# Altium PCB Board_ASCII.PcbDoc (part 1 of 2)
Units mm, origin at the board's own origin, x right, y up, seen from the top; angles counter-clockwise.
Board outline 26.34 x 49.99 mm, 4 copper layers (Top Layer, GND, PWR, Bottom Layer), stack 0.603 mm thick; 93 components, 67 nets, 369 pads, 189 vias.
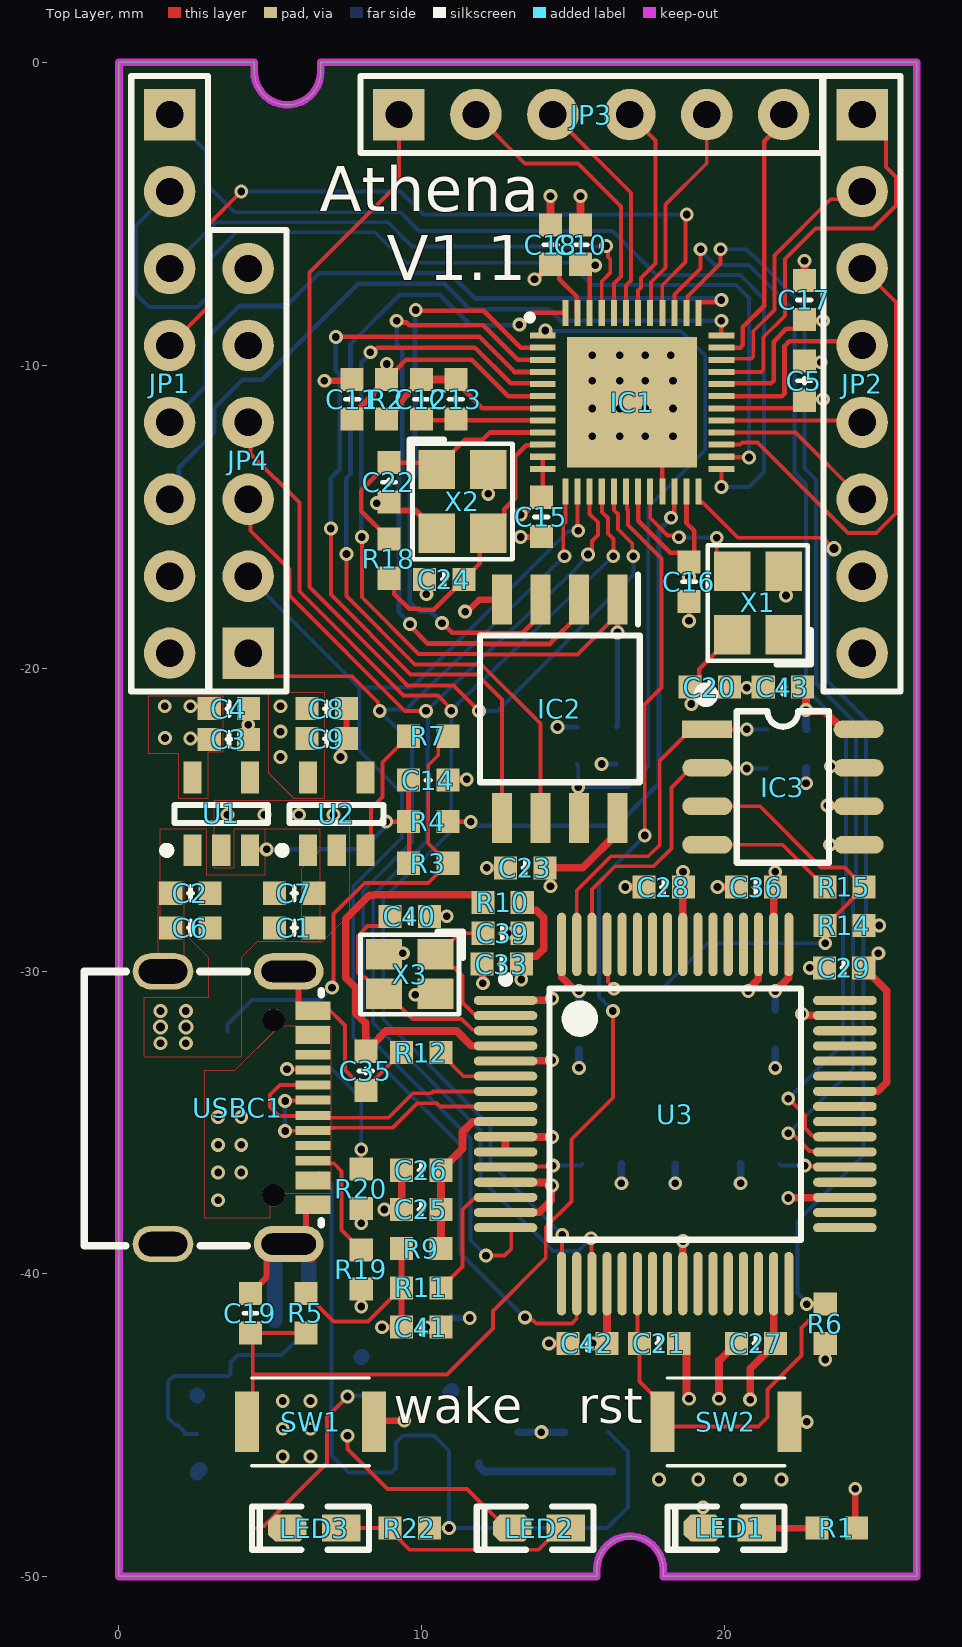
[diagram p0: Top Layer view]
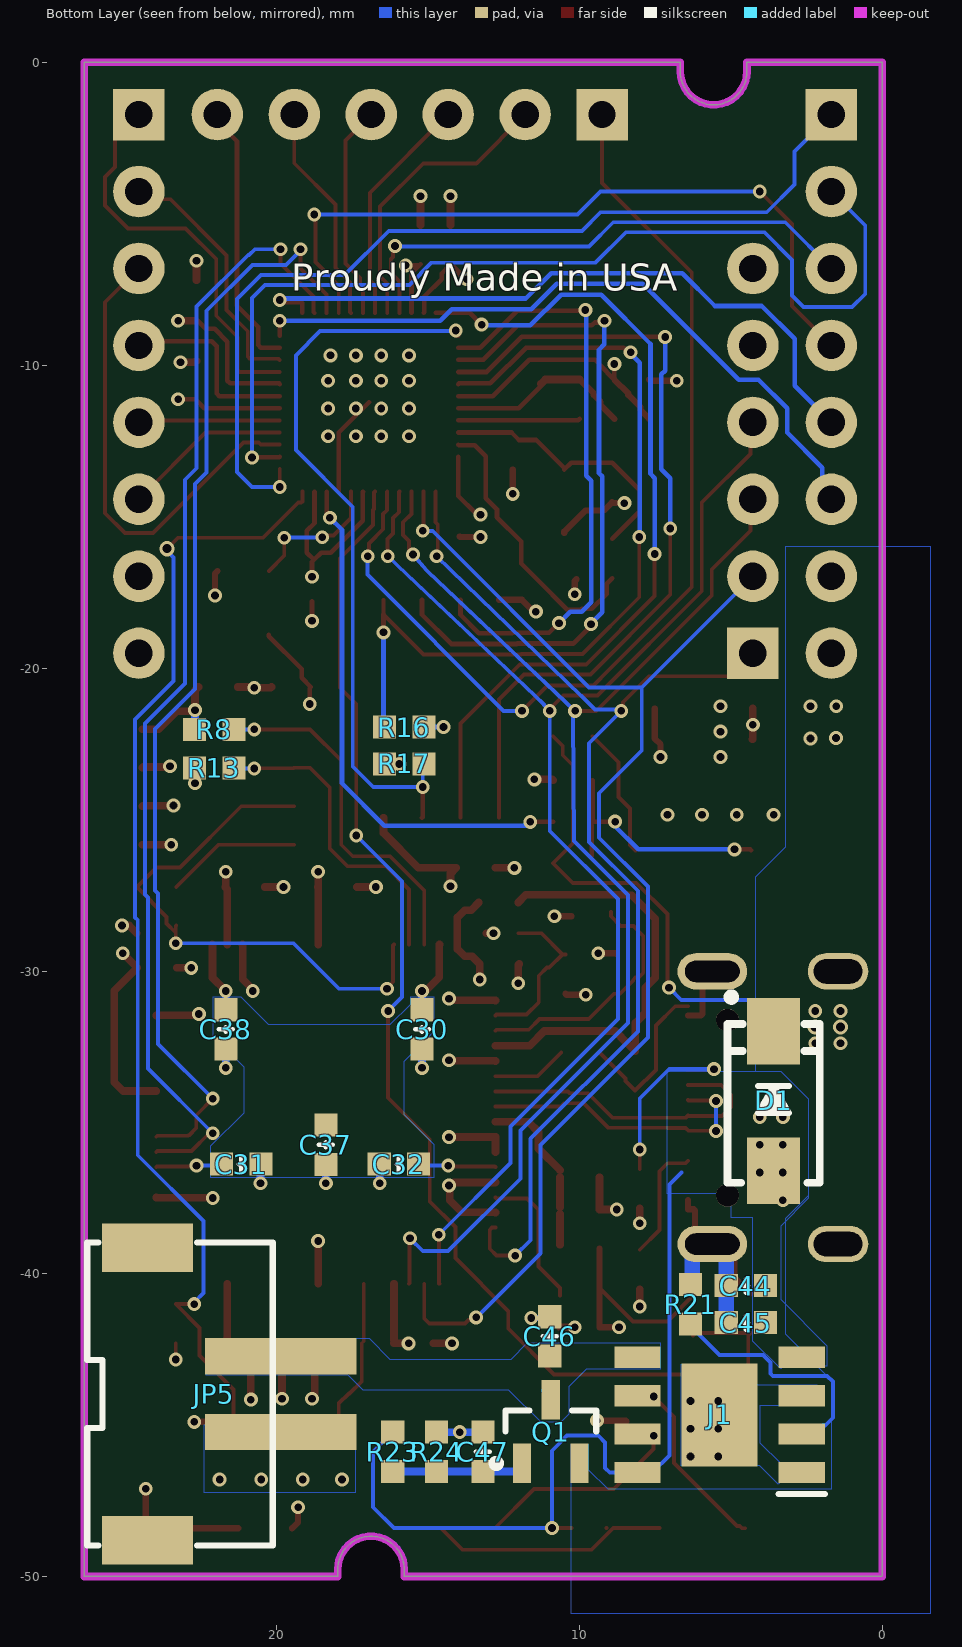
[diagram p1: Bottom Layer view, seen from below]
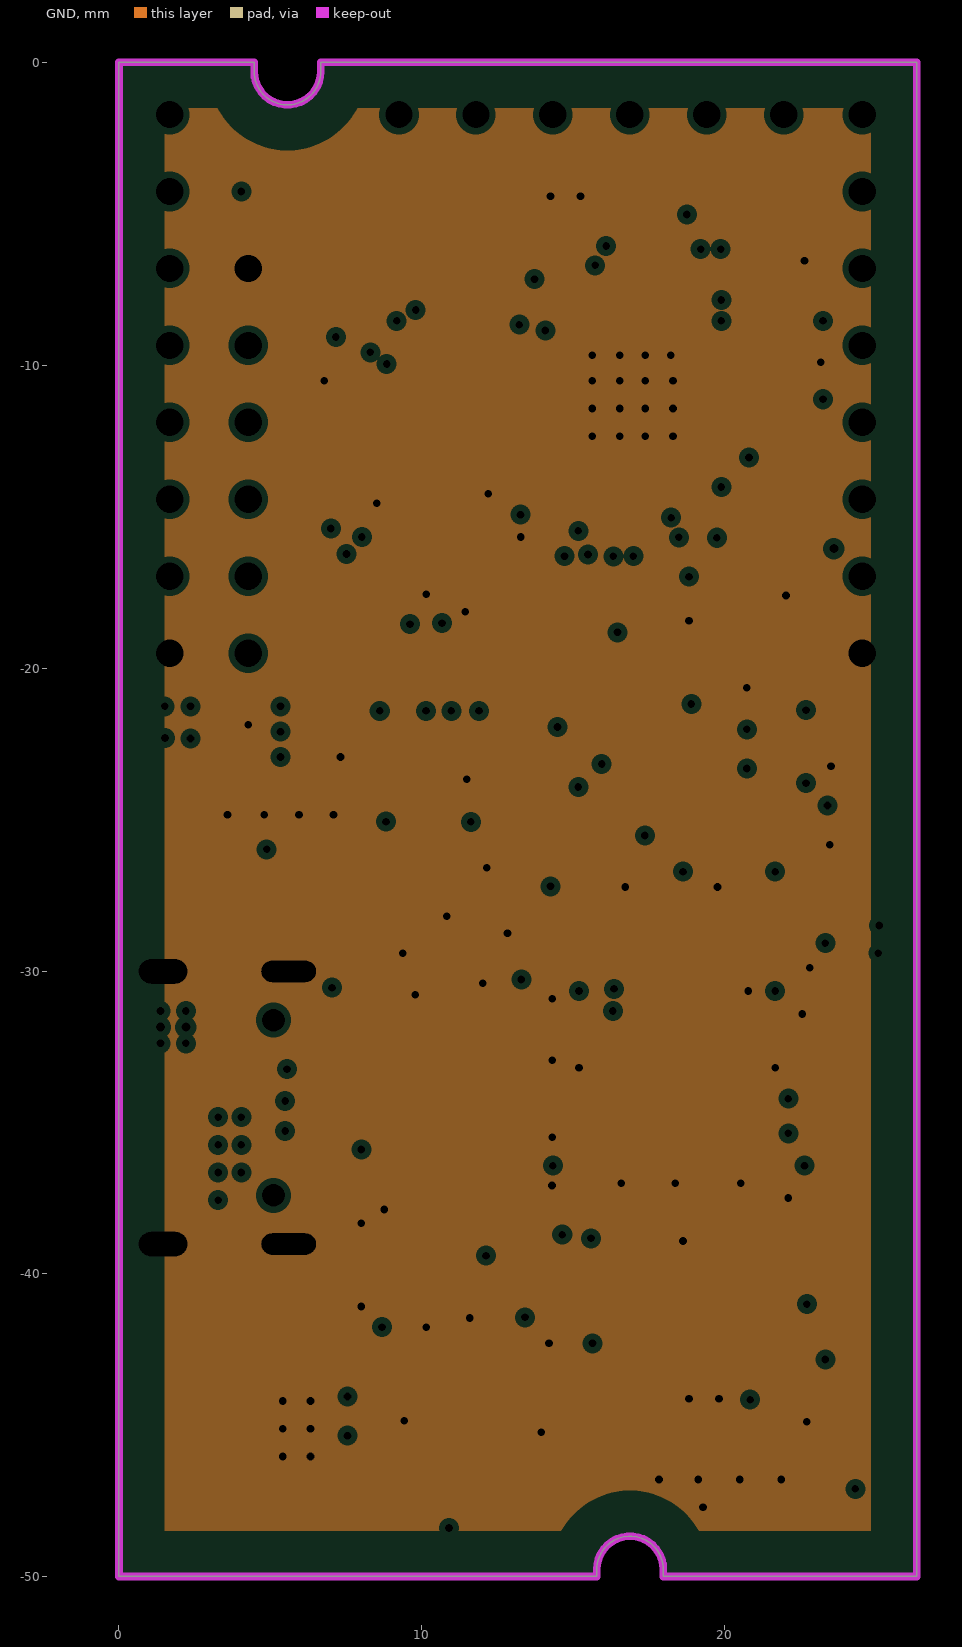
[diagram p2: GND, clearances drawn from the general rule]
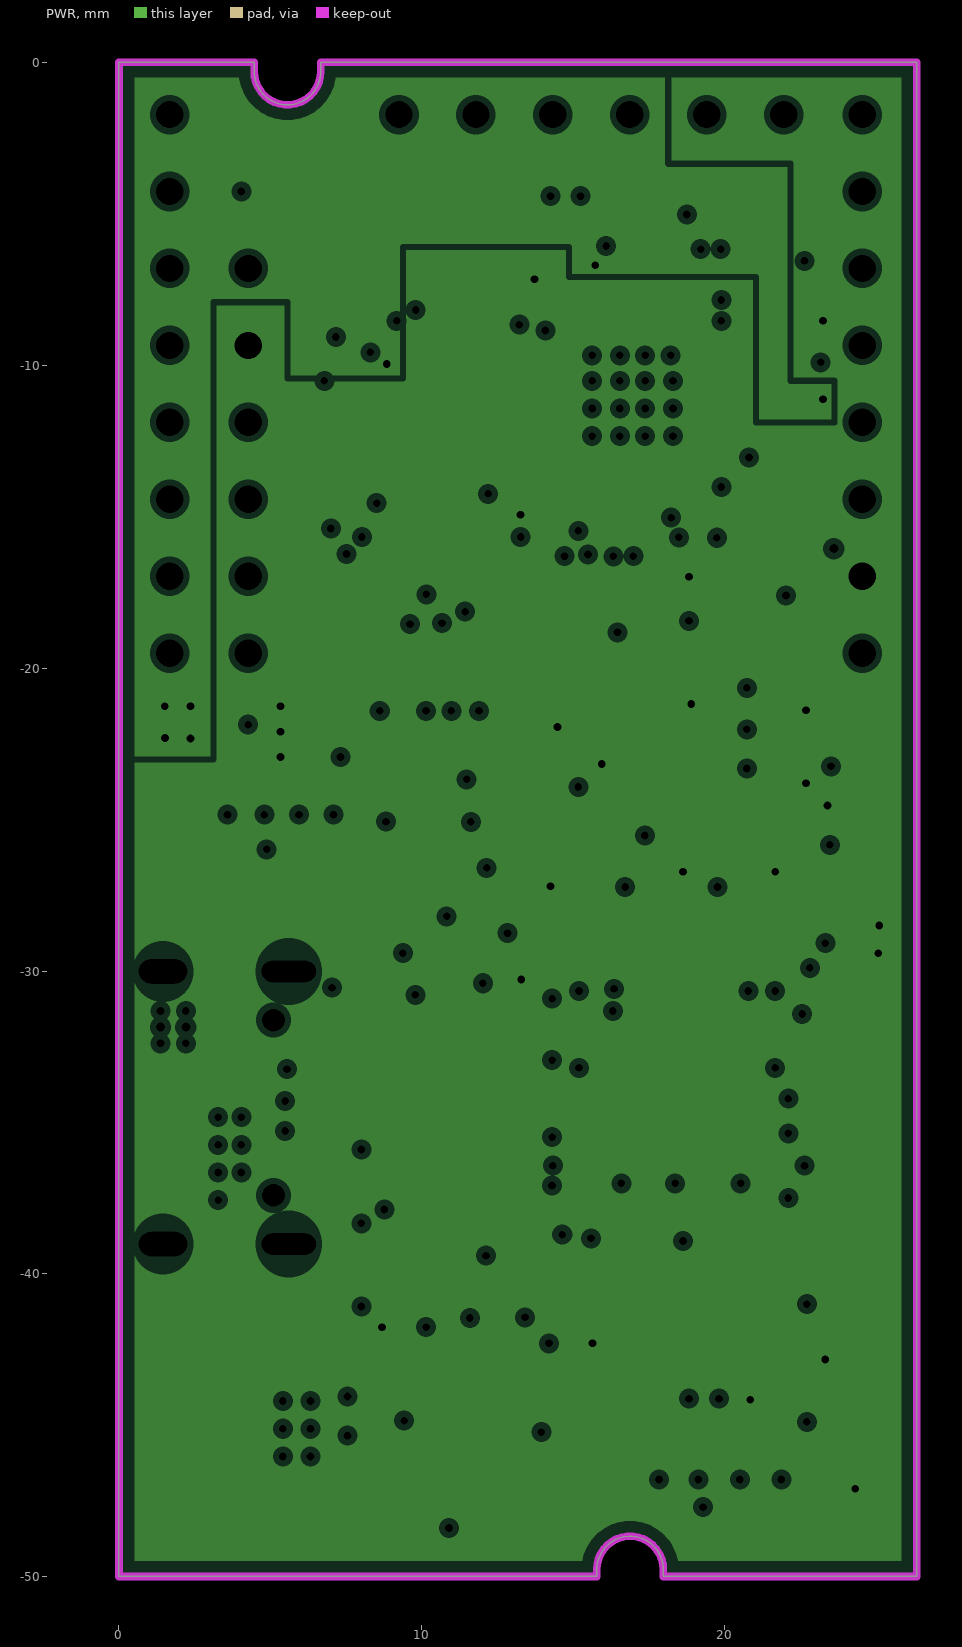
[diagram p3: PWR, clearances drawn from the general rule]

## Layer stack, top to bottom
Top Solder: solder mask 0.0102, Solder Resist, Dk 3.5
Top Layer: signal copper 0.0356
Dielectric 2: prepreg 0.0711, PP-006, Dk 4.1
GND: plane copper 0.035, net GND
Dielectric 1: dielectric 0.32, FR-4, Dk 4.8
PWR: plane copper 0.035, net (Multiple Nets)
Dielectric 3: prepreg 0.0711, PP-006, Dk 4.1
Bottom Layer: signal copper 0.0356
Bottom Solder: solder mask 0.0102, Solder Resist, Dk 3.5

## Board outline
4.463,-0.305 ccw(c5.563,-0.305) 6.663,-0.305 6.663,0 7.468,0 26.34,0 26.34,-49.987 17.973,-49.987 17.973,-49.759 ccw(c16.873,-49.759) 15.773,-49.759 15.773,-49.987 14.707,-49.987 0,-49.987 0,0 4.463,0

## Design rules (kind name [scope] priority, off if disabled: settings)
AssemblyTestPointUsage [All] p0: scope1count=1 scope1_0_kind=Board scope1_0_value=Board scope2count=1 scope2_0_kind=Board scope2_0_value=Board commentlength=0
AssemblyTestpoint [All] p0: scope1count=1 scope1_0_kind=Board scope1_0_value=Board scope2count=1 scope2_0_kind=Board scope2_0_value=Board commentlength=0
Clearance [All] p0: scope1count=1 scope1_0_kind=Board scope1_0_value=Board scope2count=1 scope2_0_kind=Board scope2_0_value=Board commentlength=0 gap=0.203
Clearance [All] p1: gap=0.203 ignorepadtopadclearanceinfootprint=TRUE
ComponentClearance [All] p0: scope1count=1 scope1_0_kind=Board scope1_0_value=Board scope2count=1 scope2_0_kind=Board scope2_0_value=Board commentlength=0 gap=0.254 collisioncheckmode=3
DiffPairsRouting [All] p0: scope1count=1 scope1_0_kind=Board scope1_0_value=Board scope2count=1 scope2_0_kind=Board scope2_0_value=Board commentlength=0
DiffPairsRouting [All] p1: maxlimit=0.254 minlimit=0.203 mostfreqgap=0.203 toplayer_minwidth=0.127 toplayer_maxwidth=0.381 toplayer_prefwidth=0.127 bottomlayer_minwidth=0.127 bottomlayer_maxwidth=0.381 bottomlayer_prefwidth=0.127 maxuncoupledlength=12.7
FabricationTestPointUsage [All] p0: scope1count=1 scope1_0_kind=Board scope1_0_value=Board scope2count=1 scope2_0_kind=Board scope2_0_value=Board commentlength=0 valid=0 allowmultiple=FALSE
FabricationTestpoint [All] p0: scope1count=1 scope1_0_kind=Board scope1_0_value=Board scope2count=1 scope2_0_kind=Board scope2_0_value=Board commentlength=0 side=3 testpointundercomponent=TRUE minsize=1.016 maxsize=2.54 preferedsize=1.524 minholesize=0 maxholesize=1.016 preferedholesize=0.813 testpointgrid=0.025
FanoutControl Fanout_BGA [All] p0 off: scope1count=1 scope1_0_kind=Board scope1_0_value=Board scope2count=1 scope2_0_kind=Board scope2_0_value=Board commentlength=69 // Protel DXP Scope 1 Expression Was: IsBGA   Fanout_BGA (Default Rule)
FanoutControl Fanout_LCC [All] p0 off: scope1count=1 scope1_0_kind=Board scope1_0_value=Board scope2count=1 scope2_0_kind=Board scope2_0_value=Board commentlength=69 // Protel DXP Scope 1 Expression Was: IsLCC   Fanout_LCC (Default Rule)
FanoutControl Fanout_SOIC [All] p0 off: scope1count=1 scope1_0_kind=Board scope1_0_value=Board scope2count=1 scope2_0_kind=Board scope2_0_value=Board commentlength=71 // Protel DXP Scope 1 Expression Was: IsSOIC   Fanout_SOIC (Default Rule)
FanoutControl Fanout_Small [All] p0 off: scope1count=1 scope1_0_kind=Board scope1_0_value=Board scope2count=1 scope2_0_kind=Board scope2_0_value=Board commentlength=84 // Protel DXP Scope 1 Expression Was: (CompPinCount < 5)   Fanout_Small (Default Rule)
FanoutControl Fanout_Default [All] p0: scope1count=1 scope1_0_kind=Board scope1_0_value=Board scope2count=1 scope2_0_kind=Board scope2_0_value=Board commentlength=30 // Fanout_Default (Default Rule)
Height [All] p0: scope1count=1 scope1_0_kind=Board scope1_0_value=Board scope2count=1 scope2_0_kind=Board scope2_0_value=Board commentlength=0
HoleSize [All] p0: scope1count=1 scope1_0_kind=Board scope1_0_value=Board scope2count=1 scope2_0_kind=Board scope2_0_value=Board commentlength=0 absolutevalues=TRUE maxlimit=2.54 minlimit=0.025 maxpercent=80.000 minpercent=20.000
HoleToHoleClearance [All] p0: scope1count=1 scope1_0_kind=Board scope1_0_value=Board scope2count=1 scope2_0_kind=Board scope2_0_value=Board commentlength=0
LayerPairs [All] p0: scope1count=1 scope1_0_kind=Board scope1_0_value=Board scope2count=1 scope2_0_kind=Board scope2_0_value=Board commentlength=0 enforce=TRUE
MinimumSolderMaskSliver [All] p0: scope1count=1 scope1_0_kind=Board scope1_0_value=Board scope2count=1 scope2_0_kind=Board scope2_0_value=Board commentlength=0
NetAntennae [All] p0: scope1count=1 scope1_0_kind=Board scope1_0_value=Board scope2count=1 scope2_0_kind=Board scope2_0_value=Board commentlength=0
PasteMaskExpansion [All] p0: scope1count=1 scope1_0_kind=Board scope1_0_value=Board scope2count=1 scope2_0_kind=Board scope2_0_value=Board commentlength=0 expansion=0
PlaneClearance [All] p0: scope1count=1 scope1_0_kind=Board scope1_0_value=Board scope2count=1 scope2_0_kind=Board scope2_0_value=Board commentlength=0 clearance=0.203
PlaneClearance [All] p1: clearance=0.203
PlaneConnect [All] p0: scope1count=1 scope1_0_kind=Board scope1_0_value=Board scope2count=1 scope2_0_kind=Board scope2_0_value=Board commentlength=0 planeconnectstyle=Direct reliefexpansion=0.508 reliefentries=4 reliefconductorwidth=0.254 reliefairgap=0.254
PlaneConnect [All] p1: planeconnectstyle=Direct reliefexpansion=0.508 reliefentries=4 reliefconductorwidth=0.254 reliefairgap=0.254
PolygonConnect [All] p0: scope1count=1 scope1_0_kind=Board scope1_0_value=Board scope2count=1 scope2_0_kind=Board scope2_0_value=Board commentlength=0 connectstyle=Direct reliefconductorwidth=0.254 reliefentries=4 polygonreliefangle="90 Angle"
PolygonConnect [All] p1: connectstyle=Direct reliefconductorwidth=0.254 reliefentries=4 polygonreliefangle="90 Angle" airgapwidth=0.254
RoomDefinition Main [All] p0: scope1count=1 scope1_0_kind=ComponentClass scope1_0_value=Main scope2count=1 scope2_0_kind=Board scope2_0_value=Board commentlength=0 region_x1=70450000 region_y1=17900000 region_x2=130100000 region_y2=23050000 confinementstyle=ConfineIn
RoomDefinition Power [All] p0: scope1count=1 scope1_0_kind=ComponentClass scope1_0_value=Power scope2count=1 scope2_0_kind=Board scope2_0_value=Board commentlength=0 region_x1=70450000 region_y1=23500000 region_x2=99050000 region_y2=26200000 confinementstyle=ConfineIn
RoomDefinition Debugger [All] p0: scope1count=1 scope1_0_kind=ComponentClass scope1_0_value=Debugger scope2count=1 scope2_0_kind=Board scope2_0_value=Board commentlength=0 region_x1=70450000 region_y1=10600000 region_x2=116350000 region_y2=17400000 confinementstyle=ConfineIn
RoomDefinition Main [InComponentClass('Main')] p1: confinementstyle=ConfineIn formatcopy=TRUE lockcomponents=FALSE outline 59.385,-59.995 210.896,-59.995 210.896,-46.914 59.385,-46.914
RoomDefinition Power [InComponentClass('Power')] p2: confinementstyle=ConfineIn formatcopy=TRUE lockcomponents=FALSE outline 59.385,-45.771 132.029,-45.771 132.029,-38.913 59.385,-38.913
RoomDefinition Debugger [InComponentClass('Debugger')] p3: confinementstyle=ConfineIn formatcopy=TRUE lockcomponents=FALSE outline 59.385,-78.537 175.971,-78.537 175.971,-61.265 59.385,-61.265
RoutingCorners [All] p0: scope1count=1 scope1_0_kind=Board scope1_0_value=Board scope2count=1 scope2_0_kind=Board scope2_0_value=Board commentlength=0 cornerstyle=45-Degree minsetback=2.54 maxsetback=2.54
RoutingLayers [All] p0: scope1count=1 scope1_0_kind=Board scope1_0_value=Board scope2count=1 scope2_0_kind=Board scope2_0_value=Board commentlength=0 top layer=Automatic bottom layer=Automatic
RoutingPriority [All] p0: scope1count=1 scope1_0_kind=Board scope1_0_value=Board scope2count=1 scope2_0_kind=Board scope2_0_value=Board commentlength=0
RoutingTopology [All] p0: scope1count=1 scope1_0_kind=Board scope1_0_value=Board scope2count=1 scope2_0_kind=Board scope2_0_value=Board commentlength=0 topology=Shortest
RoutingVias [All] p0: scope1count=1 scope1_0_kind=Board scope1_0_value=Board scope2count=1 scope2_0_kind=Board scope2_0_value=Board commentlength=0 holewidth=0.254 width=0.457 viastyle="Through Hole" minholewidth=0.254 minwidth=0.457 maxholewidth=0.254 maxwidth=0.457
RoutingVias [All] p1: holewidth=0.254 width=0.457 viastyle="Through Hole" minholewidth=0.254 minwidth=0.457 maxholewidth=0.254 maxwidth=0.457
ShortCircuit [All] p0: scope1count=1 scope1_0_kind=Board scope1_0_value=Board scope2count=1 scope2_0_kind=Board scope2_0_value=Board commentlength=0 allowed=FALSE
SilkToBoardRegionClearance [All] p0: scope1count=1 scope1_0_kind=Board scope1_0_value=Board scope2count=1 scope2_0_kind=Board scope2_0_value=Board commentlength=0
SilkToSilkClearance [All] p0: scope1count=1 scope1_0_kind=Board scope1_0_value=Board scope2count=1 scope2_0_kind=Board scope2_0_value=Board commentlength=0
SilkToSolderMaskClearance [All] p0 off: scope1count=1 scope1_0_kind=Board scope1_0_value=Board scope2count=1 scope2_0_kind=Board scope2_0_value=Board commentlength=44 // Protel DXP Scope 1 Expression Was: IsPad
SolderMaskExpansion [All] p0: scope1count=1 scope1_0_kind=Board scope1_0_value=Board scope2count=1 scope2_0_kind=Board scope2_0_value=Board commentlength=0 expansion=0.102
SolderMaskExpansion [All] p1: expansion=0.102 istentingtop=FALSE
UnRoutedNet [All] p0: scope1count=1 scope1_0_kind=Board scope1_0_value=Board scope2count=1 scope2_0_kind=Board scope2_0_value=Board commentlength=0
UnpouredPolygon [All] p0: scope1count=1 scope1_0_kind=Board scope1_0_value=Board scope2count=1 scope2_0_kind=Board scope2_0_value=Board commentlength=0
Width [All] p0: scope1count=1 scope1_0_kind=Board scope1_0_value=Board scope2count=1 scope2_0_kind=Board scope2_0_value=Board commentlength=0 maxlimit=0.508 minlimit=0.127 preferedwidth=0.127
Width [All] p1: maxlimit=0.508 minlimit=0.127 preferedwidth=0.127
27 further rules are at their usual default settings.

## Classes and differential pairs
component class Power: C1 C2 C3 C4 C5 C6 C7 C8 C9 C10 C11 C12 C13 C14 C15 C16 C17 C18 C44 C45 C46 C47 D1 J1 JP5 LED1 LED2 LED3 Q1 R1 R2 R3 R4 R7 R21 R22 R23 R24 U1 U2
component class Main: C19 C20 C21 C22 C23 C24 IC1 IC2 JP1 JP2 JP3 JP4 R5 R6 R16 R17 R18 SW1 SW2 X1 X2
component class Debugger: C25 C26 C27 C28 C29 C30 C31 C32 C33 C35 C36 C37 C38 C39 C40 C41 C42 C43 IC3 R8 R9 R10 R11 R12 R13 R14 R15 R19 R20 U3 USBC1 X3
differential pair " ": +USB_D_P -USB_D_N

## Components (designator, comment, footprint, x,y, rotation, side; value= is the part's Value field where it differs from the comment)
C1 "10uF" C0603_NS 5.791,-28.575 r0 top
C2 "100nF" C0603_NS 2.362,-27.432 r180 top
C3 "100nF" C0603_NS 3.632,-22.352 r0 top
C4 "10uF" C0603_NS 3.632,-21.336 r0 top
C5 "100nF" C0603_NS 22.631,-10.516 r270 top
C6 "10uF" C0603_NS 2.362,-28.575 r180 top
C7 "100nF" C0603_NS 5.791,-27.432 r0 top
C8 "100nF" C0603_NS 6.858,-21.336 r0 top
C9 "10uF" C0603_NS 6.858,-22.327 r0 top
C10 "100nF" C0603_NS 15.24,-6.02 r90 top
C11 "100nF" C0603_NS 7.696,-11.125 r270 top
C12 "100nF" C0603_NS 9.982,-11.125 r90 top
C13 "10uF" C0603_NS 11.125,-11.125 r90 top
C14 "100nF" C0603_NS 10.211,-23.698 r180 top
C15 "100nF" C0603_NS 13.945,-15.011 r90 top
C16 "100nF" C0603_NS 18.821,-17.145 r90 top
C17 "100nF" C0603_NS 22.631,-7.849 r270 top
C18 "100nF" C0603_NS 14.249,-6.02 r270 top
C19 "100nF" C0603_NS 4.343,-41.3 r270 top
C20 "100nF" C0603_NS 19.507,-20.625 r180 top
C21 "100nF" C0603_NS 17.831,-42.291 r180 top
C22 "22pF" C0603_NS 8.915,-13.868 r90 top
C23 "100nF" C0603_NS 13.411,-26.594 r180 top
C24 "22pF" C0603_NS 10.744,-17.069 r180 top
C25 "10uF" C0603_NS 9.982,-37.871 r0 top
C26 "100nF" C0603_NS 9.982,-36.576 r0 top
C27 "100nF" C0603_NS 21.031,-42.291 r0 top
C28 "100nF" C0603_NS 17.983,-27.229 r0 top
C29 "100nF" C0603_NS 23.937,-29.896 r0 top
C30 "100nF" C0603_NS 15.189,-31.928 r90 bottom
C31 "100nF" C0603_NS 21.158,-36.373 r0 bottom
C32 "100nF" C0603_NS 15.951,-36.373 r180 bottom
C33 "100nF" C0603_NS 12.634,-29.769 r0 top
C35 "100nF" C0603_NS 8.153,-33.299 r90 top
C36 "100nF" C0603_NS 21.031,-27.229 r0 top
C37 "10uF" C0603_NS 18.364,-35.738 r90 bottom
C38 "100nF" C0603_NS 21.666,-31.928 r90 bottom
C39 "22pF" C0603_NS 12.664,-28.753 r180 top
C40 "22pF" C0603_NS 9.601,-28.194 r180 top
C41 "100nF" C0603_NS 9.982,-41.758 r180 top
C42 "100nF" C0603_NS 15.469,-42.291 r0 top
C43 "100nF" C0603_NS 21.92,-20.625 r180 top
C44 "10uF" C0603_NS 4.496,-40.386 r180 bottom
C45 "100nF" C0603_NS 4.496,-41.605 r180 bottom
C46 "10uF" C0603_NS 10.973,-42.062 r270 bottom
C47 "100nF" C0603_NS 13.183,-45.872 r270 bottom
D1 "SS14" SMA 3.581,-34.29 r90 bottom
IC1 "FE310-G002" QFN40P600X600X93-49N 16.938,-11.224 r0 top
IC2 "W25Q32FWSSIG" SOIC127P790X216-8N 14.554,-21.343 r270 top
IC3 "93C46" SOP8_L 21.92,-23.927 r0 top
J1 "TP4056" SOIC127P600X175-9N 5.365,-44.653 r0 bottom
JP1 "HDR-1X8" HDR2.54-M-LI-8P 1.676,-10.617 r270 top
JP2 "HDR-1X8" HDR2.54-M-LI-8P 24.536,-10.617 r270 top
JP3 "HDR-1X6" HDR2.54-M-LI-6P 15.596,-1.727 r0 top
JP4 "HDR-1X6" HDR2.54-M-LI-6P 4.267,-13.157 r90 top
JP5 "HDR-1X2" XH2.54-LS-2P 23.241,-43.967 r90 bottom
LED1 "红色" LED0603_R 20.168,-48.387 r180 top
LED2 "红色" LED0603_R 13.868,-48.387 r180 top
LED3 "红色" LED0603_R 6.452,-48.387 r180 top
Q1 "AO3401" SOT23-3N 10.937,-45.203 r90 bottom
R1 "330R" R0603_NS 23.698,-48.387 r180 top
R2 "100R" R0603_NS 8.839,-11.125 r270 top
R3 "NC/100K" R0603_NS 10.211,-26.441 r180 top
R4 "100K" R0603_NS 10.211,-25.07 r180 top
R5 "100K" R0603_NS 6.172,-41.3 r90 top
R6 "100K" R0603_NS 23.317,-41.646 r270 top
R7 "100K" R0603_NS 10.211,-22.25 r180 top
R8 "100K" R0603_NS 22.047,-22.022 r0 bottom
R9 "5R" R0603_NS 9.982,-39.167 r180 top
R10 "5R" R0603_NS 12.664,-27.737 r0 top
R11 "100K" R0603_NS 9.982,-40.462 r180 top
R12 "12K" R0603_NS 9.982,-32.69 r0 top
R13 "100K" R0603_NS 22.047,-23.292 r0 bottom
R14 "100K" R0603_NS 23.952,-28.499 r0 top
R15 "2.2K" R0603_NS 23.952,-27.229 r180 top
R16 "100K" R0603_NS 15.773,-21.946 r180 bottom
R17 "100K" R0603_NS 15.773,-23.165 r0 bottom
R18 "1M" R0603_NS 8.915,-16.383 r90 top
R19 "5.1K" R0603_NS 8.001,-39.853 r90 top
R20 "5.1K" R0603_NS 8.001,-37.186 r90 top
R21 "1.2K" R0603_NS 6.325,-40.996 r270 bottom
R22 "1K" R0603_NS 9.601,-48.387 r0 top
R23 "100K" R0603_NS 16.154,-45.872 r90 bottom
R24 "100K" R0603_NS 14.707,-45.872 r270 bottom
SW1 "SKRKAEE020" SKRKAEE020 6.325,-44.882 r0 top
SW2 "SKRKAEE020" SKRKAEE020 20.041,-44.882 r0 top
U1 "RT9080-1.8" SOT-23-5 3.378,-24.816 r90 top
U2 "RT9080-3.3" SOT-23-5 7.188,-24.816 r90 top
U3 "FT2232HL-Reel" LQFP-64_M 18.364,-34.722 r0 top
USBC1 "TYPE-C 2.0 -16P" USB-C-SMD_16P 3.931,-34.513 r90 top
X1 "32.768K" OSC-3225-4P 21.096,-17.848 r90 top
X2 "16M" XTAL-3225-4P 11.342,-14.495 r270 top
X3 "12M" XTAL-2025-4P 9.601,-30.099 r180 top

## Footprints (in the part's own frame and the unit in brackets; to place one, negate y for a bottom-side part, rotate by r counter-clockwise, add the part's x,y. Pads: shape width x height; smd on the part's side, far side on the other; paste and mask are expansions set on the pad)
C0603_NS [mil] "贴片MLCC电容-无丝印"
  rect 30x30 smd: 1(-25.59,0) 2(25.59,0)
  silkscreen extent -3,-9 3,9
HDR2.54-M-LI-6P [mm] "排母，6脚"
  rect 1.7x1.7 hole 0.9: 1(-6.35,0)
  round 1.7 hole 0.9: 2(-3.81,0) 3(-1.27,0) 4(1.27,0) 5(3.81,0) 6(6.35,0)
  silkscreen extent -7.62,-1.27 7.62,1.27
HDR2.54-M-LI-8P [mm] "排母，8脚"
  rect 1.7x1.7 hole 0.9: 1(-8.89,0)
  round 1.7 hole 0.9: 2(-6.35,0) 3(-3.81,0) 4(-1.27,0) 5(1.27,0) 6(3.81,0) 7(6.35,0) 8(8.89,0)
  silkscreen extent -10.16,-1.27 10.16,1.27
LED0603_R [mil] "红色0603LED"
  rect 50x35 smd: 1(-35,0.26)
  oct 50x35 smd: 2(35,0.26)
  silkscreen extent -71,-28 81,28
LQFP-64_M [mm] "Thin QFP, 64-Leads, Body 10x10mm, Pitch 0.5mm, IPC Low Density"
  oval 2.1x0.3 smd: 1(-5.6,3.75) 2(-5.6,3.25) 3(-5.6,2.75) 4(-5.6,2.25) 5(-5.6,1.75) 6(-5.6,1.25) 7(-5.6,0.75) 8(-5.6,0.25) 9(-5.6,-0.25) 10(-5.6,-0.75) 11(-5.6,-1.25) 12(-5.6,-1.75) 13(-5.6,-2.25) 14(-5.6,-2.75) 15(-5.6,-3.25) 16(-5.6,-3.75) 33(5.6,-3.75) 34(5.6,-3.25) 35(5.6,-2.75) 36(5.6,-2.25) 37(5.6,-1.75) 38(5.6,-1.25) 39(5.6,-0.75) 40(5.6,-0.25) 41(5.6,0.25) 42(5.6,0.75) 43(5.6,1.25) 44(5.6,1.75) 45(5.6,2.25) 46(5.6,2.75) 47(5.6,3.25) 48(5.6,3.75)
  oval 0.3x2.1 smd: 17(-3.75,-5.6) 18(-3.25,-5.6) 19(-2.75,-5.6) 20(-2.25,-5.6) 21(-1.75,-5.6) 22(-1.25,-5.6) 23(-0.75,-5.6) 24(-0.25,-5.6) 25(0.25,-5.6) 26(0.75,-5.6) 27(1.25,-5.6) 28(1.75,-5.6) 29(2.25,-5.6) 30(2.75,-5.6) 31(3.25,-5.6) 32(3.75,-5.6) 49(3.75,5.6) 50(3.25,5.6) 51(2.75,5.6) 52(2.25,5.6) 53(1.75,5.6) 54(1.25,5.6) 55(0.75,5.6) 56(0.25,5.6) 57(-0.25,5.6) 58(-0.75,5.6) 59(-1.25,5.6) 60(-1.75,5.6) 61(-2.25,5.6) 62(-2.75,5.6) 63(-3.25,5.6) 64(-3.75,5.6)
  silkscreen extent -5.72,-4.15 4.15,4.57
OSC-3225-4P [mm] "3.2*2.5*0.7mm(长宽高)                             淘宝ID:黄晶宝石"
  rect 1.3x1.2 smd: 1(-1.05,-0.85) 2(1.05,-0.85) 3(1.05,0.85) 4(-1.05,0.85)
  silkscreen extent -2.03,-1.75 1.91,1.65
QFN40P600X600X93-49N [mm] "48脚，长x宽x高：7x7x1mm，脚距：0.5mm"
  rect 0.85x0.2 smd: 1(-2.95,2.2) 2(-2.95,1.8) 3(-2.95,1.4) 4(-2.95,1) 5(-2.95,0.6) 6(-2.95,0.2) 7(-2.95,-0.2) 8(-2.95,-0.6) 9(-2.95,-1) 10(-2.95,-1.4) 11(-2.95,-1.8) 12(-2.95,-2.2) 25(2.95,-2.2) 26(2.95,-1.8) 27(2.95,-1.4) 28(2.95,-1) 29(2.95,-0.6) 30(2.95,-0.2) 31(2.95,0.2) 32(2.95,0.6) 33(2.95,1) 34(2.95,1.4) 35(2.95,1.8) 36(2.95,2.2)
  rect 0.2x0.85 smd: 13(-2.2,-2.95) 14(-1.8,-2.95) 15(-1.4,-2.95) 16(-1,-2.95) 17(-0.6,-2.95) 18(-0.2,-2.95) 19(0.2,-2.95) 20(0.6,-2.95) 21(1,-2.95) 22(1.4,-2.95) 23(1.8,-2.95) 24(2.2,-2.95) 37(2.2,2.95) 38(1.8,2.95) 39(1.4,2.95) 40(1,2.95) 41(0.6,2.95) 42(0.2,2.95) 43(-0.2,2.95) 44(-0.6,2.95) 45(-1,2.95) 46(-1.4,2.95) 47(-1.8,2.95) 48(-2.2,2.95)
  rect 4.3x4.3 smd: 49(0,0)
  silkscreen extent -3.47,2.7 -3.27,2.9
R0603_NS [mil] "1/10W贴片电阻-无丝印"
  rect 30x30 smd: 1(-25.59,0) 2(25.59,0)
SKRKAEE020 [mm] "3*6*2.5mm"
  rect 0.8x2 smd: 1(-2.1,0) 2(2.1,0)
  silkscreen extent -1.95,-1.45 1.95,1.45
SMA [mm] "4.5x2.6*2.2mm（长宽高，不包括引脚）联系卖家 免费查找封装"
  rect 2.2x1.75 smd: 1(-2.3,0) 2(2.3,0)
  silkscreen extent -2.7,-1.52 3.56,1.52
SOIC127P600X175-9N [mm]
  rect 1.525x0.7 smd: 1(-2.712,1.905) 2(-2.712,0.635) 3(-2.712,-0.635) 4(-2.712,-1.905) 5(2.712,-1.905) 6(2.712,-0.635) 7(2.712,0.635) 8(2.712,1.905)
  rect 2.513x3.402 smd: 9(0,0)
  silkscreen extent -3.47,2.61 -1.95,2.61
SOIC127P790X216-8N [mm]
  rect 1.65x0.65 smd: 1(-3.6,1.905) 2(-3.6,0.635) 3(-3.6,-0.635) 4(-3.6,-1.905) 5(3.6,-1.905) 6(3.6,-0.635) 7(3.6,0.635) 8(3.6,1.905)
  silkscreen extent -4.43,-2.64 2.42,2.64
SOP8_L [mil] "5*6*1.8mm（长宽高）"
  rect 65x23 smd: 1(-98.43,75)
  oval 65x23 smd: 2(-98.43,25) 3(-98.43,-25) 4(-98.43,-75) 5(98.43,-75) 6(98.43,-25) 7(98.43,25) 8(98.43,75)
  silkscreen extent -106,-98 60,126
SOT23-3N [mm] "SOT23, 3-Leads, Body 2.9x1.3mm, Pitch 0.95mm, Lead Span 2.4mm, IPC Medium Density"
  rect 1.3x0.6 smd: 1(-1.05,0.95) 2(-1.05,-0.95) 3(1.05,0)
  silkscreen extent -1.17,-1.5 0.7,1.93
SOT-23-5 [mm] "SOT23, 5-Leads, Body 2.9x1.6mm, Pitch 0.95mm, IPC Medium Density"
  rect 1.05x0.6 smd: 1(-1.2,0.95) 2(-1.2,0) 3(-1.2,-0.95) 4(1.2,-0.95) 5(1.2,0.95)
  silkscreen extent -1.32,-1.55 0.3,1.92
USB-C-SMD_16P [mm] "封装库来自淘宝ID:黄晶宝石"
  oval 1.2x2.3 hole 0.7 slot 1.8 at 90 deg: 0(-4.5,-1.675) 0(4.5,-1.675)
  oval 1.2x2 hole 0.8 slot 1.6 at 90 deg: 0(-4.5,2.475) 0(4.5,2.475)
  rect 0.3x1.15 smd: A1(3.35,-2.473) A4(2.55,-2.471) A5(1.25,-2.475) A6(0.25,-2.475) A7(-0.25,-2.473) A9(-2.55,-2.475) A12(-3.35,-2.475) B1(-3.05,-2.475) B4(-2.25,-2.475) B5(-1.75,-2.475) B6(-0.75,-2.475) B7(0.75,-2.473) B9(2.25,-2.471) B12(3.05,-2.473)
  rect 0.3x1.148 smd: A8(1.75,-2.475) B8(-1.25,-2.475)
  round 0.75 hole 0.75 unplated: ""(-2.89,-1.175) ""(2.89,-1.175)
  silkscreen extent -4.56,-2.75 4.5,5.08
XH2.54-LS-2P [mm] "长：10mm，宽：6mm，高：8.3mm    淘宝ID:黄晶宝石   店铺网址:https://shop463601444.taobao.com"
  rect 1.6x3 smd: 0(-4.826,1.016) 0(4.826,1.016)
  rect 1.2x5 smd: 1(-1.25,-3.383) 2(1.25,-3.383)
  silkscreen extent -5,-3.13 5,3
XTAL-2025-4P [mm] "2*2.5*0.55mm(长宽高)"
  rect 1.2x1 smd: 1(-0.85,-0.65) 2(0.85,-0.65) 3(0.85,0.65) 4(-0.85,0.65)
  silkscreen extent -1.75,-1.4 1.63,1.32
XTAL-3225-4P [mm] "3.2*2.5*0.7mm(长宽高)                             淘宝ID:黄晶宝石"
  rect 1.3x1.2 smd: 1(-1.05,-0.85) 2(1.05,-0.85) 3(1.05,0.85) 4(-1.05,0.85)
  silkscreen extent -2.03,-1.75 1.91,1.65

## Part data
C1 C2 C3 C4 C5 C6 C7 C8 C9 C10 C11 C12 C13 C14 C15 C16 C17 C18 C19 C20 C21 C22 C23 C24 C25 C26 C27 C28 C29 C30 C31 C32 C33 C35 C36 C37 C38 C39 C40 C41 C42 C43 C44 C45 C46 C47: library part C, "贴片电容/MLCC电容"
D1: "肖特基二极管"
IC1 IC2: "Integrated Circuit"
IC3: "外置EEPROM"
J1: "Connector"
JP1 JP2: library part "Header 8", "8P接插件"
JP3 JP4: library part "Header 6", "6P接插件"
JP5: library part "Header 2", "2P接插件"
LED1 LED2 LED3: library part LED-SMD, "贴片LED"
Q1: "P沟道 30V/4.2A"
R1 R2 R3 R4 R5 R6 R7 R8 R9 R10 R11 R12 R13 R14 R15 R16 R17 R18 R19 R20 R21 R22 R23 R24: library part R, "贴片电阻"
SW1 SW2: "2.9x3.9轻触开关"
U1 U2: library part RT9193-18GB, "LDO 1.8V/0.3A"
U3: library part CMP-0078-00023-3, "Dual High Speed USB To Multipurpose UART/FIFO IC, 64-pin LQFP, Tape and Reel"
USBC1: library part USB2.0_Type-C_16Pin, "USB2.0_Type-C_16Pin母座"
X1: library part XTAL-ACT-4P, "4脚有源晶振(振荡器)"
X2 X3: library part XTAL-4P, "4脚无源晶振(谐振器）"

## Via types
v1: diameter 0.457, hole 0.254, Top Layer to Bottom Layer, 186 vias
v2: diameter 0.5, hole 0.3, Top Layer to Bottom Layer, 3 vias

## Nets (pads, with @x,y where several pads share a name; then routed paths per layer and width w, separated by ;. In a path a pad name is that pad's centre, name@x,y a point inside that pad or via, vN(x,y) a via of type N, cw(c..) or ccw(c..) an arc to the next point about the centre after c; other vN are vias at no path point)
1V8: C3.1 C4.1 C5.2 C10.1 C11.2 IC1.6 IC1.30 IC1.46 R2.1 U1.5 | length 13.9
  Top Layer w0.152: v1(8.839,-9.959) R2.1@8.839,-10.475 9.322,-9.992 9.322,-9.97 9.477,-9.815 11.644,-9.815 12.853,-11.024 IC1.6@13.988,-11.024 ; C10.1@15.24,-6.67 15.538,-6.968 IC1.46@15.538,-8.274 ; C10.1@15.276,-6.706 v1(15.724,-6.706) ; IC1.30@19.888,-11.424 22.373,-11.424 C5.2@22.631,-11.166 22.672,-11.125 v1(23.241,-11.125)
  Top Layer w0.203: C11.2@7.696,-11.775 7.976,-11.496 7.976,-11.389 8.382,-10.982 8.382,-10.932 R2.1@8.839,-10.475
  other v1: 2.362,-22.327 1.522,-22.311 1.512,-21.26 2.362,-21.26
3V3: C8.1 C9.1 C15.2 C16.2 C17.2 C18.2 C20.2 C23.1 C27.2 C28.2 C29.2 C33.2 C36.2 C41.2 C42.2 C43.1 IC1.11 IC1.12 IC1.19 IC1.23 IC1.32 IC1.47 IC2.8 IC3.6 IC3.8 JP2.7 JP4.5 R1.1 R5.2 R6.2 R8.2 R9.2 R10.2 R11.2 R13.2 R14.2 R16.2 R17.2 U2.5 U3.20 U3.31 U3.42 U3.50 U3.56 X1.4 | length 59.9
  Top Layer w0.127: R5.2@6.172,-40.65 7.089,-41.567 8.227,-41.567 9.144,-40.65 R11.2@9.332,-40.462 ; v1(23.317,-42.824) R6.2@23.317,-42.296
  Top Layer w0.152: v1(13.259,-14.935) 13.317,-14.877 13.429,-14.877 13.988,-14.318 IC1.12@13.988,-13.424 IC1.11@13.988,-13.024 ; C18.2@14.249,-6.706 14.273,-6.706 14.542,-6.975 14.542,-7.157 15.118,-7.733 15.118,-8.253 IC1.47@15.138,-8.274 ; IC1.19@17.138,-14.174 17.145,-14.181 17.145,-15.136 18.199,-16.19 18.517,-16.19 C16.2@18.738,-16.412 ; IC1.23@18.738,-14.174 18.738,-15.218 18.992,-15.472 18.992,-16.19 18.771,-16.412 C16.2@18.738,-16.412 ; v1(18.821,-16.982) C16.2@18.821,-16.495 C16.2@18.738,-16.412 ; v1(18.898,-21.184) 18.898,-20.665 C20.2@18.857,-20.625 19.162,-20.32 19.162,-20.031 20.246,-18.948 X1.4@20.246,-18.898 ; IC1.32@19.888,-10.624 19.909,-10.603 21.526,-10.603 21.615,-10.514 21.615,-9.221 22.034,-8.803 22.322,-8.803 C17.2@22.591,-8.534
  Top Layer w0.203: v1(8.687,-41.758) C41.2@9.332,-41.758 R11.2@9.332,-40.462 R9.2@9.332,-39.167 ; v1(13.716,-7.163) 13.756,-7.163 C18.2@14.249,-6.67 ; v1(24.308,-47.092) 24.308,-48.346 R1.1@24.348,-48.387
  Top Layer w0.254: v1(13.284,-30.277) C33.2@13.284,-29.769 13.538,-29.515 13.781,-29.515 14.025,-29.271 14.025,-28.235 13.781,-27.991 13.568,-27.991 R10.2@13.314,-27.737 ; v1(14.249,-27.203) 14.249,-26.782 C23.1@14.061,-26.594 15.308,-26.594 16.459,-25.443 IC2.8@16.459,-24.943 ; v1(15.631,-42.291) C42.2@16.119,-42.291 ; C42.2@16.093,-42.215 16.114,-42.194 U3.20@16.114,-40.322 ; U3.56@18.614,-29.122 18.614,-27.248 C28.2@18.633,-27.229 18.618,-27.214 v1(18.618,-26.721) ; v1(20.838,-44.15) 20.838,-43.134 C27.2@21.681,-42.291 21.681,-42.215 21.614,-42.148 U3.31@21.614,-40.322 ; U3.50@21.614,-29.122 21.614,-27.296 C36.2@21.681,-27.229 21.666,-27.214 v1(21.666,-26.721) ; C43.1@22.57,-20.625 22.682,-20.737 v1(22.682,-21.387) 22.721,-21.426 23.291,-21.426 23.887,-22.022 IC3.8@24.42,-22.022 ; C17.2@22.667,-8.534 v1(23.241,-8.534) ; v1(23.393,-24.536) 23.406,-24.549 24.408,-24.549 IC3.6@24.42,-24.562 ; U3.42@23.964,-33.972 23.973,-33.963 25.052,-33.963 25.344,-33.671 25.344,-30.653 C29.2@24.587,-29.896 v1(25.07,-29.413) ; R14.2@24.602,-28.753 24.856,-28.499 v1(25.095,-28.499)
  Bottom Layer w0.152: v1(14.478,-21.946) R16.2@15.123,-21.946 ; v1(15.936,-23.165) R17.2@16.423,-23.165
  Bottom Layer w0.254: v1(22.682,-23.8) 22.682,-23.307 R13.2@22.697,-23.292 ; v1(22.682,-21.387) 22.682,-22.007 R8.2@22.697,-22.022
  other v1: 5.334,-22.936 5.334,-22.098 5.334,-21.26
GND: C1.2 C2.2 C3.2 C4.2 C5.1 C6.2 C7.2 C8.2 C9.2 C10.2 C11.1 C14.1 C15.1 C16.1 C17.1 C18.1 C19.1 C20.1 C21.1 C22.1 C23.2 C24.2 C25.1 C26.1 C27.1 C28.1 C29.1 C30.1 C31.1 C32.1 C33.1 C35.1 C36.1 C37.1 C38.1 C39.1 C40.1 C41.1 C42.1 C43.2 C44.1 C45.1 C46.1 C47.1 IC1.21 IC1.49 IC2.4 IC3.5 IC3.7 J1.1 J1.3 J1.9 JP1.8 JP2.8 JP4.6 JP5.1 LED1.2 R12.1 R19.1 R20.1 R21.1 R24.1 SW1.2 SW2.2 U1.2 U2.2 U3.1 U3.5 U3.10 U3.11 U3.13 U3.15 U3.25 U3.35 U3.47 U3.51 USBC1.0 USBC1.A1 USBC1.A12 USBC1.B1 USBC1.B12 X1.2 X2.2 X2.4 X3.2 X3.4 | length 73.7
  Top Layer w0.127: USBC1.A1@6.404,-31.163 6.829,-31.163 7.468,-31.802 7.468,-33.264 C35.1@8.153,-33.949 8.471,-33.632 8.471,-33.551 R12.1@9.332,-32.69
  Top Layer w0.152: IC1.49@16.938,-11.224 17.938,-12.224 IC1.21@17.938,-14.174 ; v1(18.821,-18.44) C16.1@18.821,-17.795
  Top Layer w0.203: C19.1@4.343,-40.65 4.877,-40.117 4.877,-39.461 5.325,-39.013 USBC1.0@5.605,-39.013 ; USBC1.0@5.605,-30.013 5.93,-30.338 5.93,-31.414 5.979,-31.463 USBC1.B12@6.404,-31.463 ; USBC1.0@6.172,-38.552 6.172,-37.911 6.221,-37.863 USBC1.A12@6.405,-37.863 USBC1.B1@6.405,-37.563 ; v1(6.782,-10.516) 7.656,-10.516 C11.1@7.696,-10.475 ; v1(7.315,-22.936) 7.315,-22.519 C9.2@7.508,-22.327 C8.2@7.508,-21.336 ; SW1.2@8.439,-44.867 8.463,-44.844 v1(9.418,-44.844) ; v1(8.509,-14.554) 8.88,-14.554 C22.1@8.915,-14.518 9.195,-14.798 9.795,-14.798 10.492,-15.495 X2.2@10.492,-15.545 ; X3.2@8.751,-29.449 8.787,-29.413 v1(9.373,-29.413) ; v1(9.783,-30.785) 10.415,-30.785 X3.4@10.451,-30.749 ; C24.2@10.094,-17.069 10.149,-17.123 v1(10.149,-17.563) ; C40.1@10.251,-28.194 v1(10.82,-28.194) ; v1(11.43,-18.136) 11.499,-18.136 11.892,-17.743 IC2.4@12.649,-17.743 ; v1(12.192,-14.249) X2.4@12.192,-13.445 ; v1(13.262,-15.673) 13.933,-15.673 C15.1@13.945,-15.661 ; v1(19.279,-47.701) 19.279,-48.194 LED1.2@19.478,-48.394 ; X1.2@21.946,-16.798 22.022,-16.874 v1(22.022,-17.602) ; SW2.2@22.141,-44.882 v1(22.708,-44.882)
  Top Layer w0.254: C4.2@4.267,-21.336 4.267,-22.337 C3.2@4.282,-22.352 ; v1(8.001,-41.072) R19.1@8.001,-40.503 ; v1(8.001,-38.329) R20.1@8.001,-37.836 ; v1(8.763,-37.871) C25.1@9.332,-37.871 ; C25.1@9.332,-37.806 C26.1@9.332,-36.805 ; v1(10.145,-41.758) C41.1@10.632,-41.758 ; C14.1@10.861,-23.698 10.886,-23.673 v1(11.481,-23.673) ; C33.1@11.984,-29.769 12.014,-29.799 v1(12.014,-30.404) ; v1(12.141,-26.594) C23.2@12.761,-26.594 ; U3.15@12.764,-37.972 12.773,-37.963 13.874,-37.963 14.271,-37.567 v1@14.271,-37.037 ; U3.13@12.764,-36.972 12.773,-36.981 14.139,-36.981 14.242,-37.083 v1(14.297,-37.083) ; U3.11@12.764,-35.972 U3.10@12.764,-35.472 12.77,-35.478 14.294,-35.478 v1(14.3,-35.484) ; U3.5@12.764,-32.972 12.773,-32.963 14.281,-32.963 v1(14.3,-32.944) ; U3.1@12.764,-30.972 12.773,-30.963 14.194,-30.963 14.245,-30.912 v1(14.3,-30.912) ; v1(12.827,-28.753) C39.1@13.06,-28.753 ; v1(14.199,-42.291) C42.1@14.819,-42.291 ; C18.1@14.249,-5.37 v1(14.249,-4.42) ; C10.2@15.24,-5.37 v1(15.24,-4.42) ; v1(16.713,-27.229) C28.1@17.333,-27.229 ; C21.1@18.481,-42.291 18.735,-42.545 18.735,-43.978 18.821,-44.065 v1(18.821,-44.12) ; U3.25@18.614,-40.322 18.616,-40.32 18.616,-38.915 v1(18.618,-38.913) ; v1(19.761,-27.229) C36.1@20.381,-27.229 ; v1(19.812,-44.12) 19.812,-42.86 C27.1@20.381,-42.291 ; C20.1@20.157,-20.625 20.183,-20.65 v1(20.726,-20.65) ; v1@20.701,-20.625 C43.2@21.27,-20.625 ; v1(20.777,-30.658) 20.777,-30.603 21.105,-30.275 21.105,-29.131 U3.51@21.114,-29.122 ; v1(22.098,-37.49) 22.108,-37.481 23.955,-37.481 U3.35@23.964,-37.472 ; v1(22.555,-31.42) 22.61,-31.42 22.653,-31.463 23.955,-31.463 U3.47@23.964,-31.472 ; C5.1@22.631,-9.866 22.672,-9.906 v1(23.165,-9.906) ; C17.1@22.631,-7.199 v1(22.631,-6.553) ; v1(22.809,-29.896) C29.1@23.287,-29.896 ; v1(23.47,-25.832) IC3.5@24.42,-25.832 ; v1(23.51,-23.241) 23.535,-23.266 24.395,-23.266 IC3.7@24.42,-23.292
  Top Layer w0.508: USBC1.0@5.605,-39.013 5.968,-39.013 USBC1.0@6.325,-39.369
  Bottom Layer w0.203: C46.1@10.973,-41.412 11.013,-41.453 v1(11.582,-41.453)
  Bottom Layer w0.254: C47.1@13.183,-45.222 R24.1@14.707,-45.222 ; v1(15.189,-33.198) C30.1@15.189,-32.578 ; v1(16.586,-37.008) 16.586,-36.388 C32.1@16.601,-36.373 ; v1(18.364,-37.008) C37.1@18.364,-36.388 ; C31.1@20.508,-36.373 20.523,-36.388 v1(20.523,-37.008) ; v1(21.666,-33.198) C38.1@21.666,-32.578
  Bottom Layer w0.508: J1.1@2.577,-46.558 J1.1@2.673,-46.462 ; J1.3@2.577,-44.018 J1.3@2.591,-44.004 ; C45.1@5.146,-41.529 5.146,-39.332 5.465,-39.013 5.947,-39.013 6.266,-39.332 6.266,-40.363 R21.1@6.325,-40.422
  other v1: 17.831,-46.787 19.126,-46.787 20.498,-46.787 21.869,-46.787 5.41,-46.025 6.325,-46.025 13.945,-45.222 5.41,-45.11 6.325,-45.11 5.41,-44.196 6.325,-44.196 3.581,-24.841 4.801,-24.841 5.944,-24.841 7.087,-24.841 4.267,-21.869 15.621,-12.344 16.535,-12.344 17.374,-12.344 18.288,-12.344 15.621,-11.43 16.535,-11.43 17.374,-11.43 18.288,-11.43 15.621,-10.516 16.535,-10.516 17.374,-10.516 18.288,-10.516 15.621,-9.677 16.535,-9.677 17.374,-9.677 18.212,-9.677
HF_U1_RX: IC1.45 JP1.3 | length 17.8
  Top Layer w0.127: IC1.45@15.938,-8.274 15.938,-7.241 16.217,-6.962 16.217,-6.746 16.219,-6.744 16.219,-6.5 16.146,-6.427 16.146,-6.127 v1(16.083,-6.064)
  Bottom Layer w0.127: JP1.3@1.676,-6.807 3.2,-5.283 8.877,-5.283 9.677,-6.083 16.064,-6.083 v1(16.083,-6.064)
HF_U1_TX: IC1.40 JP1.4 | length 24.7
  Top Layer w0.127: JP1.4@1.676,-9.347 2.972,-8.052 2.972,-5.334 v1(4.039,-4.267) ; IC1.40@17.938,-8.274 17.938,-7.36 18.707,-6.591 18.707,-5.067 v1(18.745,-5.029)
  Bottom Layer w0.127: v1(4.039,-4.267) 9.296,-4.267 10.058,-5.029 v1(18.745,-5.029)